# Altium PCB SmartHub Carrier.PcbDoc (part 1 of 5) (continued)
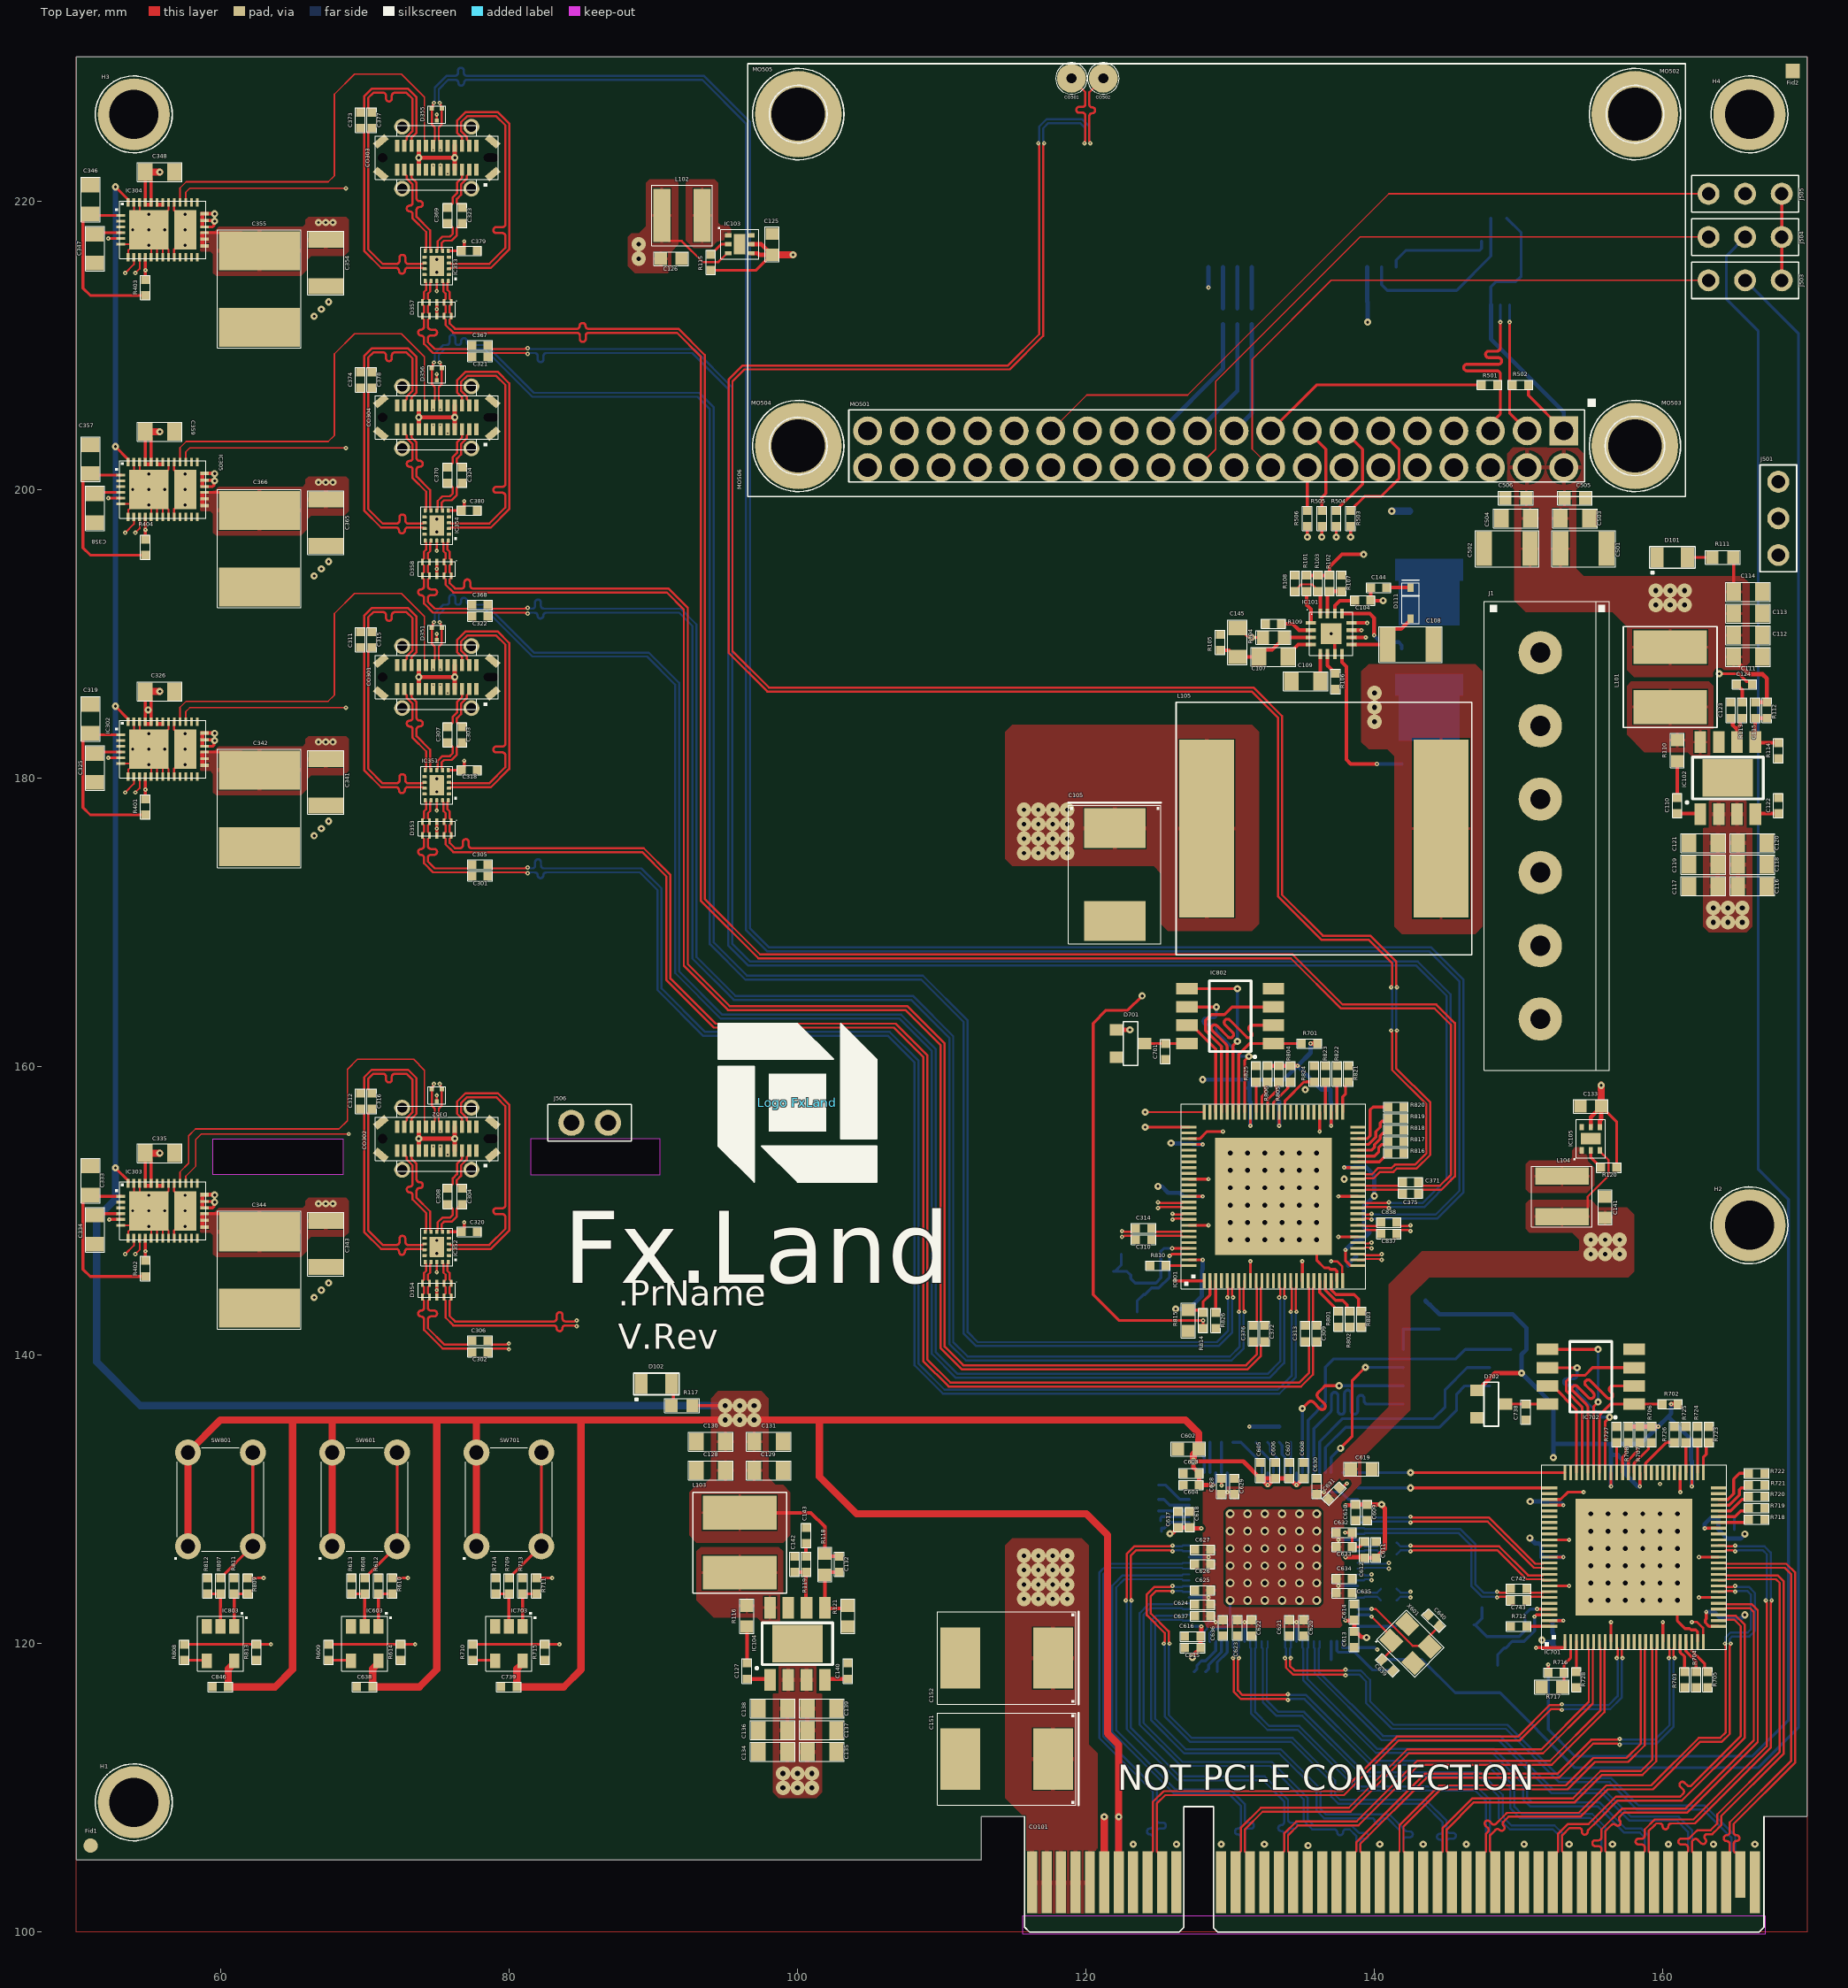
[diagram p0: Top Layer view]
## Components (designator, comment, footprint, x,y, rotation, side; value= is the part's Value field where it differs from the comment)
C102 "10µF" C1210 140.85,198.5 r0 bottom locked
C103 "4.7µF" C1210 137.65,192.5 r180 bottom locked
C104 "100nF" C0402 139.2,192.3 r0 top locked
C105 "150µF" Tantalum_2924_4.1MM 122,173.3 r270 top locked
C107 "10nF" C0805 133,188.4 r180 top locked
C108 "4.7µF" C1210 142.5,189.25 r0 top locked
C109 "10nF" C0805 135.25,186.7 r180 top locked
C110 "100nF" C0402 161,178.1 r270 top locked
C111 "10µF" C0805 165.9,188.4 r0 top locked
C112 "10µF" C0805 165.9,189.9 r0 top locked
C113 "10µF" C0805 165.9,191.4 r0 top locked
C114 "10µF" C0805 165.9,192.9 r0 top locked
C115 "1nF" C0402 166.4,184.7 r270 top locked
C116 "10µF" C0805 166.2,172.5 r0 top locked
C117 "10µF" C0805 162.8,172.5 r180 top locked
C118 "10µF" C0805 166.2,174 r0 top locked
C119 "10µF" C0805 162.8,174 r180 top locked
C120 "10µF" C0805 166.2,175.5 r0 top locked
C121 "10µF" C0805 162.8,175.5 r180 top locked
C122 "100nF" C0402 168,178.1 r90 top locked
C123 "1nF" C0402 164.7,184.7 r90 top locked
C124 "1.2nF" C0402 165.65,186.5 r0 top locked
C125 "10µF" C0603 98.25,217 r90 top locked
C126 "10µF" C0603 91.25,216 r0 top locked
C127 "100nF" C0402 96.5,118.1 r270 top locked
C128 "10µF" C0805 94,132 r180 top locked
C129 "10µF" C0805 98,132 r0 top locked
C130 "10µF" C0805 94,134 r180 top locked
C131 "10µF" C0805 98,134 r0 top locked
C132 "1nF" C0402 102.9,125.5 r270 top locked
C133 "10µF" C0603 155,157.25 r180 top locked
C134 "10µF" C0805 98.3,112.5 r180 top locked
C135 "10µF" C0805 101.7,112.5 r0 top locked
C136 "10µF" C0805 98.3,114 r180 top locked
C137 "10µF" C0805 101.7,114 r0 top locked
C138 "10µF" C0805 98.3,115.5 r180 top locked
C139 "10µF" C0805 101.7,115.5 r0 top locked
C140 "100nF" C0402 103.5,118.1 r90 top locked
C141 "10µF" C0603 156,150.25 r90 top locked
C142 "56pF" C0402 99.8,125.5 r90 top locked
C143 "2.7nF" C0402 100.6,127.5 r90 top locked
C144 "100nF" C0402 140.3,193.2 r180 top locked
C145 "2.2nF" C0805 130.5,189.4 r270 top locked
C151 "150µF" Tantalum_2924_4.1MM 114.5,112 r180 top locked
C152 "150µF" Tantalum_2924_4.1MM 114.5,119 r180 top locked
C153 "150µF" Tantalum_2924_4.1MM 114.5,112 r180 bottom locked
C154 "150µF" Tantalum_2924_4.1MM 114.5,119 r180 bottom locked
C301 "100nF" C0402 78,173.2 r180 top locked
C302 "100nF" C0402 78,140.2 r180 top locked
C303 "100nF" C0402 76.75,183 r90 top locked
C304 "100nF" C0402 76.75,151 r90 top locked
C305 "100nF" C0402 78,174 r180 top locked
C306 "100nF" C0402 78,141 r180 top locked
C307 "100nF" C0402 75.75,183 r90 top locked
C308 "100nF" C0402 75.75,151 r90 top locked
C309 "100nF" C0402 136,141.5 r270 top locked
C310 "100nF" C0402 124,148 r180 top locked
C311 "100nF" C0402 69.7,189.6 r90 top locked
C312 "100nF" C0402 69.7,157.6 r90 top locked
C313 "100nF" C0402 135.2,141.5 r270 top locked
C314 "100nF" C0402 124,148.8 r180 top locked
C315 "100nF" C0402 70.5,189.6 r90 top locked
C316 "100nF" C0402 70.5,157.6 r90 top locked
C317 "10µF" C0805 52,183.9 r180 bottom locked
C318 "100nF" C0402 77.25,180.55 r0 top locked
C319 "10µF" C0805 51,184.1 r90 top locked
C320 "100nF" C0402 77.25,148.55 r0 top locked
C321 "100nF" C0402 78,209.2 r180 top locked
C322 "100nF" C0402 78,191.2 r180 top locked
C323 "100nF" C0402 76.75,219 r90 top locked
C324 "100nF" C0402 76.75,201 r90 top locked
C325 "10µF" C0805 51.3,180.7 r270 top locked
C326 "10µF" C0805 55.8,186 r0 top locked
C327 "4.7µF" C1210 67.6,178.4 r0 bottom locked
C328 "10nF" C0805 67,180.6 r0 bottom locked
C329 "10nF" C0805 64.5,181.6 r90 bottom locked
C330 "10nF" C0805 62.1,181.6 r270 bottom locked
C331 "10nF" C0805 60.5,181.6 r270 bottom locked
C332 "10µF" C0805 52,151.9 r180 bottom locked
C333 "10µF" C0805 51,152.1 r90 top locked
C334 "10µF" C0805 51.3,148.7 r270 top locked
C335 "10µF" C0805 55.8,154 r0 top locked
C336 "4.7µF" C1210 67.6,146.4 r0 bottom locked
C337 "10nF" C0805 67,148.6 r0 bottom locked
C338 "10nF" C0805 64.5,149.6 r90 bottom locked
C339 "10nF" C0805 62.1,149.6 r270 bottom locked
C340 "10nF" C0805 60.5,149.6 r270 bottom locked
C341 "10µF" C1210 67.3,179.7 r270 top locked
C342 "22µF" C2220 62.7,177.9 r270 top locked
C343 "10µF" C1210 67.3,147.7 r270 top locked
C344 "22µF" C2220 62.7,145.9 r270 top locked
C345 "10µF" C0805 52,219.9 r180 bottom locked
C346 "10µF" C0805 51,220.1 r90 top locked
C347 "10µF" C0805 51.3,216.7 r270 top locked
C348 "10µF" C0805 55.8,222 r0 top locked
C349 "4.7µF" C1210 67.6,214.4 r0 bottom locked
C350 "10nF" C0805 67,216.6 r0 bottom locked
C351 "10nF" C0805 64.5,217.6 r90 bottom locked
C352 "10nF" C0805 62.1,217.6 r270 bottom locked
C353 "10nF" C0805 60.5,217.6 r270 bottom locked
C354 "10µF" C1210 67.3,215.7 r270 top locked
C355 "22µF" C2220 62.7,213.9 r270 top locked
C356 "10µF" C0805 52,201.9 r180 bottom locked
C357 "10µF" C0805 51,202.1 r90 top locked
C358 "10µF" C0805 51.3,198.7 r270 top locked
C359 "10µF" C0805 55.8,204 r0 top locked
C360 "4.7µF" C1210 67.6,196.4 r0 bottom locked
C361 "10nF" C0805 67,198.6 r0 bottom locked
C362 "10nF" C0805 64.5,199.6 r90 bottom locked
C363 "10nF" C0805 62.1,199.6 r270 bottom locked
C364 "10nF" C0805 60.5,199.6 r270 bottom locked
C365 "10µF" C1210 67.3,197.7 r270 top locked
C366 "22µF" C2220 62.7,195.9 r270 top locked
C367 "100nF" C0402 78,210 r180 top locked
C368 "100nF" C0402 78,192 r180 top locked
C369 "100nF" C0402 75.75,219 r90 top locked
C370 "100nF" C0402 75.75,201 r90 top locked
C371 "100nF" C0402 142.5,152 r0 top locked
C372 "100nF" C0402 132.4,141.5 r270 top locked
C373 "100nF" C0402 69.7,225.6 r90 top locked
C374 "100nF" C0402 69.7,207.6 r90 top locked
C375 "100nF" C0402 142.5,151.2 r0 top locked
C376 "100nF" C0402 131.6,141.5 r270 top locked
C377 "100nF" C0402 70.5,225.6 r90 top locked
C378 "100nF" C0402 70.5,207.6 r90 top locked
C379 "100nF" C0402 77.25,216.55 r0 top locked
C380 "100nF" C0402 77.25,198.55 r0 top locked
C501 "47µF" C1210 154.5,195.9 r0 top locked
C502 "47µF" C1210 149.2,195.9 r180 top locked
C503 "10µF" C0805 153.9,198 r0 top locked
C504 "10µF" C0805 149.8,198 r180 top locked
C505 "1µF" C0603 153.9,199.4 r0 top locked
C506 "1µF" C0603 149.8,199.4 r180 top locked
C507 "100nF" C0402 147.525,211.2 r180 bottom locked
C508 "10µF" C0805 138.525,213 r180 bottom locked
C601 "100nF" C0402 141.45,141.8 r180 bottom locked
C602 "4.7µF" C0603 127.1,133.5 r180 top locked
C603 "100nF" C0402 127.3,131.8 r180 top locked
C604 "1nF" C0402 127.3,131 r180 top locked
C605 "100nF" C0402 132.1,132 r90 top locked
C606 "1nF" C0402 133.1,132 r90 top locked
C607 "100nF" C0402 134.1,132 r90 top locked
C608 "1nF" C0402 135.1,132 r90 top locked
C609 "100nF" C0402 139.5,129.1 r270 top locked
C610 "1nF" C0402 138.7,129.1 r270 top locked
C611 "100nF" C0402 140.1,126.5 r90 top locked
C612 "1nF" C0402 139.3,126.5 r90 top locked
C613 "100nF" C0402 138.6,120.3 r270 top locked
C614 "1nF" C0402 138.6,122.2 r90 top locked
C615 "100nF" C0402 127.4,119.7 r180 top locked
C616 "1nF" C0402 127.4,120.5 r180 top locked
C617 "100nF" C0402 126.4,128.6 r90 top locked
C618 "1nF" C0402 127.2,128.6 r90 top locked
C619 "4.7µF" C0603 139.1,132.1 r0 top locked
C620 "100nF" C0402 135.1,121.1 r270 top locked
C621 "1nF" C0402 134.1,121.1 r270 top locked
C622 "100nF" C0402 131.5,121.1 r270 top locked
C623 "1nF" C0402 130.5,121.1 r270 top locked
C624 "100nF" C0402 128.1,122.7 r180 top locked
C625 "1nF" C0402 128.1,123.7 r180 top locked
C626 "100nF" C0402 128.1,125.5 r180 top locked
C627 "1nF" C0402 128.1,126.5 r180 top locked
C628 "100nF" C0402 129.4,130.9 r90 top locked
C629 "1nF" C0402 130.3,130.9 r90 top locked
C630 "100nF" C0402 136,130.9 r90 top locked
C631 "1nF" C0402 137.2,130.4 r45 top locked
C632 "100nF" C0402 137.9,127.7 r0 top locked
C633 "1nF" C0402 137.9,126.7 r0 top locked
C634 "100nF" C0402 137.9,124.5 r0 top locked
C635 "1nF" C0402 137.9,123.5 r0 top locked
C636 "100nF" C0402 129.5,121.1 r270 top locked
C637 "1nF" C0402 128.1,121.9 r180 top locked
C638 "100nF" C0402 70,117 r180 top locked
C639 "12pF" C0402 140.9,118.5 r135 top locked
C640 "12pF" C0402 144.1,121.6 r135 top locked
C641 "100nF" C0402 141,123.8 r0 bottom locked
C642 "100nF" C0402 141,123 r0 bottom locked
C643 "100nF" C0402 141,127 r0 bottom locked
C644 "100nF" C0402 141,126.2 r0 bottom locked
C701 "100nF" C0402 125.5,161.05 r270 top locked
C702 "4.7µF" C0603 153.2,119.8 r0 bottom locked
C703 "100nF" C0402 152.9,120.75 r0 bottom locked
C704 "1nF" C0402 152.35,122.15 r90 bottom locked
C705 "100nF" C0402 151.55,127.35 r90 bottom locked
C706 "1nF" C0402 151.575,125.45 r270 bottom locked
C707 "100nF" C0402 151.6,129.3 r270 bottom locked
C708 "1nF" C0402 152.4,129.3 r270 bottom locked
C709 "100nF" C0402 155.85,133.225 r180 bottom locked
C710 "1nF" C0402 155.85,132.5 r180 bottom locked
C711 "100nF" C0402 158,132.5 r0 bottom locked
C712 "1nF" C0402 158,131.7 r0 bottom locked
C713 "100nF" C0402 161.4,133.5 r180 bottom locked
C714 "1nF" C0402 161.4,132.7 r180 bottom locked
C715 "100nF" C0402 164.4,127.9 r0 bottom locked
C716 "1nF" C0402 164.4,128.7 r0 bottom locked
C717 "100nF" C0402 164.8,122.3 r90 bottom locked
C718 "1nF" C0402 164,122.3 r90 bottom locked
C719 "4.7µF" C0603 164.5,130 r0 bottom locked
C720 "100nF" C0402 155.9,121.1 r270 bottom locked
C721 "1nF" C0402 156.9,121.1 r270 bottom locked
C722 "100nF" C0402 159.5,121.1 r270 bottom locked
C723 "1nF" C0402 160.5,121.1 r270 bottom locked
C724 "100nF" C0402 161.5,121.1 r270 bottom locked
C725 "1nF" C0402 162.7,121.6 r315 bottom locked
C726 "100nF" C0402 163.1,123.7 r0 bottom locked
C727 "1nF" C0402 163.1,124.6 r0 bottom locked
C728 "100nF" C0402 163.1,125.5 r0 bottom locked
C729 "1nF" C0402 163.1,126.5 r0 bottom locked
C730 "100nF" C0402 159.8,131 r90 bottom locked
C731 "1nF" C0402 160.7,131 r90 bottom locked
C732 "100nF" C0402 154,131.1 r90 bottom locked
C733 "1nF" C0402 155,131.1 r90 bottom locked
C734 "100nF" C0402 152.9,126.7 r180 bottom locked
C735 "1nF" C0402 152.9,127.7 r180 bottom locked
C736 "100nF" C0402 152.9,124.5 r180 bottom locked
C737 "1nF" C0402 152.9,123.5 r180 bottom locked
C738 "100nF" C0402 150.5,136.05 r270 top locked
C739 "100nF" C0402 80,117 r180 top locked
C740 "12pF" C0402 148,118.5 r0 bottom locked
C741 "12pF" C0402 148,122.5 r0 bottom locked
C742 "100nF" C0402 150,123.8 r180 top locked
C743 "100nF" C0402 150,123 r180 top locked
C801 "4.7µF" C0603 127.3,144.1 r180 bottom locked
C802 "100nF" C0402 127.5,145.1 r180 bottom locked
C803 "1nF" C0402 127.5,145.9 r180 bottom locked
C804 "100nF" C0402 125.7,151.8 r90 bottom locked
C805 "1nF" C0402 126.5,151.8 r90 bottom locked
C806 "100nF" C0402 126.6,155.2 r90 bottom locked
C807 "1nF" C0402 127.4,155.2 r90 bottom locked
C808 "100nF" C0402 130.8,158.4 r180 bottom locked
C809 "1nF" C0402 130.8,157.6 r180 bottom locked
C810 "100nF" C0402 133.9,158.4 r0 bottom locked
C811 "1nF" C0402 133.9,157.6 r0 bottom locked
C812 "100nF" C0402 137.5,158.4 r0 bottom locked
C813 "1nF" C0402 137.5,157.6 r0 bottom locked
C814 "100nF" C0402 139.4,153.6 r90 bottom locked
C815 "1nF" C0402 138.6,153.6 r90 bottom locked
C816 "100nF" C0402 140.2,148.5 r0 bottom locked
C817 "1nF" C0402 138.725,147.375 r270 bottom locked
C818 "4.7µF" C0603 139.4,144.4 r270 bottom locked
C819 "100nF" C0402 130.9,145.9 r270 bottom locked
C820 "1nF" C0402 131.9,145.9 r270 bottom locked
C821 "100nF" C0402 134.5,145.9 r270 bottom locked
C822 "1nF" C0402 135.5,145.9 r270 bottom locked
C823 "100nF" C0402 136.5,145.9 r270 bottom locked
C824 "1nF" C0402 137.8,146.6 r315 bottom locked
C825 "100nF" C0402 138.1,149.6 r0 bottom locked
C826 "1nF" C0402 138.1,148.7 r0 bottom locked
C827 "100nF" C0402 138.1,150.5 r0 bottom locked
C828 "1nF" C0402 138.1,151.5 r0 bottom locked
C829 "100nF" C0402 134.8,156.1 r90 bottom locked
C830 "1nF" C0402 135.7,156.1 r90 bottom locked
C831 "100nF" C0402 129,156.1 r90 bottom locked
C832 "1nF" C0402 130,156.1 r90 bottom locked
C833 "100nF" C0402 127.9,151.7 r180 bottom locked
C834 "1nF" C0402 127.9,152.7 r180 bottom locked
C835 "100nF" C0402 127.9,148.5 r180 bottom locked
C836 "1nF" C0402 127.9,149.5 r180 bottom locked
C837 "100nF" C0402 141,148.4 r0 top locked
C838 "100nF" C0402 141,149.2 r0 top locked
C846 "100nF" C0402 60,117 r180 top locked
C848 "12pF" C0402 123,143 r0 bottom locked
C849 "12pF" C0402 123,147 r0 bottom locked
CO101 "PCIE-X8" PCIE-X8-PCB-BASIC 115.75,100 r0 top locked
CO301 "USB4070" USB4070-30-C 75,187 r180 top locked
CO302 "USB4070" USB4070-30-C 75,155 r180 top locked
CO303 "USB4070" USB4070-30-C 75,223 r180 top locked
CO304 "USB4070" USB4070-30-C 75,205 r180 top locked
CO501 "Pogo pin" POGO-0906 119,228.5 r180 top locked
CO502 "Pogo pin" POGO-0906 121.2,228.5 r180 top locked
D101 "Led Green" Led0805 160.65,195.3 r180 top locked
D102 "Led Green" Led0805 90.225,138 r180 top locked
D111 "CMDSH2-3" SOD-323 142.5,192.125 r90 top locked
D351 "TVS" SOT-3 75,190 r180 top locked
D352 "TVS" SOT-3 75,158 r180 top locked
D353 "TVS" SOT-1176-1 75,176.5 r180 top locked
D354 "TVS" SOT-1176-1 75,144.5 r180 top locked
D355 "TVS" SOT-3 75,226 r180 top locked
D356 "TVS" SOT-3 75,208 r180 top locked
D357 "TVS" SOT-1176-1 75,212.5 r180 top locked
D358 "TVS" SOT-1176-1 75,194.5 r180 top locked
D601 "BAS16" SOT-23 144.5,142.8 r180 bottom locked
D701 "BAS16" SOT-23 123.1,161.6 r90 top locked
D702 "BAS16" SOT-23 148.1,136.6 r90 top locked
Fid1 "Fiducial" FidR_1.0mm 51,106 r0 top locked
Fid2 "Fiducial" FidS_1.0mm 169,229 r0 top locked
Fid3 "Fiducial" FidR_1.0mm 169,109 r180 bottom locked
Fid4 "Fiducial" FidS_1.0mm 51,229 r180 bottom locked
H1 "Hole M3" HOLE_M3 54,109 r0 top locked
H2 "Hole M3" HOLE_M3 166,149 r0 top locked
H3 "Hole M3" HOLE_M3 54,226 r0 top locked
H4 "Hole M3" HOLE_M3 166,226 r0 top locked
IC101 "LTC3775" QFN-16G_3X3 137,190 r0 top locked
IC102 "AP64501SP-13" SO-8-EP 164.5,180 r0 top locked
IC103 "HL7504" DFN-6G_2X2 96,217 r270 top locked
IC104 "AP64501SP-13" SO-8-EP 100,120 r0 top locked
IC105 "HL7504" DFN-6G_2X2 155,155 r0 top locked
IC302 "TPS25750D" QFNRJK-38 56,182 r0 top locked
IC303 "TPS25750D" QFNRJK-38 56,150 r0 top locked
IC304 "TPS25750D" QFNRJK-38 56,218 r0 top locked
IC305 "TPS25750D" QFNRJK-38 56,200 r0 top locked
IC351 "TUSB542" X2QFN-18G_2.4X2 75,179.5 r180 top locked
IC352 "TUSB542" X2QFN-18G_2.4X2 75,147.5 r180 top locked
IC353 "TUSB542" X2QFN-18G_2.4X2 75,215.5 r180 top locked
IC354 "TUSB542" X2QFN-18G_2.4X2 75,197.5 r180 top locked
IC501 "EMC2301" MSOP-8_3X3 148.4,215 r180 bottom locked
IC601 "USB7206C" VQFN-100G_12X12 133,126 r90 bottom locked
IC602 "SST26VF016B" SO-8 145,138.5 r270 bottom locked
IC603 "MC74HC1G02" TSOP-5 70,120 r180 top locked
IC701 "USB7206C" VQFN-100G_12X12 158,126 r90 top locked
IC702 "SST26VF016B" SO-8 155,138.5 r90 top locked
IC703 "MC74HC1G02" TSOP-5 80,120 r180 top locked
IC801 "USB7206C" VQFN-100G_12X12 133,151 r90 top locked
IC802 "SST26VF016B" SO-8 130,163.5 r90 top locked
IC803 "MC74HC1G02" TSOP-5 60,120 r180 top locked
J1 "1755778" 1755778 151.5,176 r270 top locked
J501 "Header" 1X3P_2.54mm 168,198 r270 top locked
J502 "Fan Connctor" SM04B 140,220 r180 bottom locked
J503 "Header" 1X3P_2.54mm 165.7,214.5 r180 top locked
J504 "Header" 1X3P_2.54mm 165.7,217.5 r180 top locked
J505 "Header" 1X3P_2.54mm 165.7,220.5 r180 top locked
J506 "Pin Socket" 1X2P_Socket_2.54mm 85.6,156.1 r180 top locked
J507 "Led Connector" SM04B 130,220 r180 bottom locked
L101 "3.3µH 5A" SRN6045TA 160.5,187 r90 top locked
L102 "2.2µH 3A" NRS4018 92,219 r180 top locked
L103 "3.3µH 5A" SRN6045TA 96,127 r90 top locked
L104 "2.2µH 3A" NRS4018 153,151 r270 top locked
L105 "3.3µH 35A" IN-2P_17X17 136.5,176.5 r180 top locked
"Logo FxLand" "FxLand" Logo_FxLand_3 100,157.5 r0 top locked
MO501 "ZeroW-1" RPIZeroW_Pins 129,214.3 r180 top locked
MO502 "ZeroW-M" CM4-M 158.059,226.018 r0 top locked
MO503 "ZeroW-M" CM4-M 158.059,203.018 r0 top locked
MO504 "ZeroW-M" CM4-M 100.059,203.018 r0 top locked
MO505 "ZeroW-M" CM4-M 100.059,226.018 r0 top locked
MO506 "ZeroW" RPIZeroW_Layout 129.059,214.518 r180 top locked
R101 "442Ω" R0402 135.3,193.5 r90 top locked
R102 "100KΩ" R0402 136.9,193.5 r90 top locked
R103 "100KΩ" R0402 136.1,193.5 r90 top locked
R104 "198KΩ" R0603 133,189.75 r180 top locked
R105 "6.1KΩ" R0402 129.3,189.4 r270 top locked
R106 "39KΩ" R0402 137.3,186.7 r90 top locked
R107 "10KΩ" R0402 137.7,193.5 r270 top locked
R108 "10KΩ" R0402 134.5,193.5 r270 top locked
R109 "73.2KΩ" R0402 133,190.7 r0 top locked
R110 "100Ω" R0603 161,181.9 r90 top locked
R111 "150Ω" R0603 164.15,195.3 r180 top locked
R112 "12KΩ" R0402 167.2,184.7 r90 top locked
R113 "20KΩ" R0402 165.5,184.7 r270 top locked
R114 "2.2KΩ" R0402 168,181.9 r90 top locked
R115 "1MΩ" R0402 94,215.75 r90 top locked
R116 "100Ω" R0603 96.5,121.9 r90 top locked
R117 "50Ω" R0603 92,136.5 r180 top locked
R118 "69.8KΩ" R0603 101.9,125.5 r90 top locked
R119 "10.5K" R0402 100.6,125.5 r270 top locked
R120 "1MΩ" R0402 156.25,153 r180 top locked
R121 "22.1KΩ" R0603 103.5,121.9 r90 top locked
R122 "3mΩ" R1206 149.8,194.4 r180 bottom locked
R401 "100KΩ" R0402 54.8,178 r90 top locked
R402 "100KΩ" R0402 54.8,146 r90 top locked
R403 "100KΩ" R0402 54.8,214 r90 top locked
R404 "100KΩ" R0402 54.8,196 r90 top locked
R501 "2.2KΩ" R0402 147.975,207.25 r180 top locked
R502 "2.2KΩ" R0402 150.125,207.25 r0 top locked
R503 "10KΩ" R0402 138.35,198 r270 top locked
R504 "10KΩ" R0402 137.35,198 r270 top locked
R505 "10KΩ" R0402 136.35,198 r270 top locked
R506 "10KΩ" R0402 135.35,198 r270 top locked
R507 "36KΩ" R0402 148.625,218.8 r0 bottom locked
R508 "100Ω" R0402 131.5,212 r90 bottom locked
R509 "100Ω" R0402 130.5,212 r90 bottom locked
R510 "68Ω" R0402 129.5,212 r90 bottom locked
R601 "10KΩ" R0402 150,140.4 r0 bottom locked
R602 "10KΩ" R0402 129.1,117.5 r270 bottom locked
R603 "200KΩ" R0402 128.3,117.5 r90 bottom locked
R604 "200KΩ" R0402 127.5,117.5 r90 bottom locked
R605 "10KΩ" R0402 131.8,134.5 r270 bottom locked
R606 "10KΩ" R0402 132.6,134.5 r270 bottom locked
R607 "10KΩ" R0402 133.4,134.5 r270 bottom locked
R608 "10KΩ" R0402 70,124 r90 top locked
R609 "10KΩ" R0402 67.5,119.4 r90 top locked
R610 "10KΩ" R0402 71.9,124 r90 top locked
R611 "12KΩ" R0402 142,121.2 r180 bottom locked
R612 "100KΩ" R0402 70.95,124 r270 top locked
R613 "100KΩ" R0402 69.1,124 r270 top locked
R614 "100KΩ" R0402 72.5,119.4 r90 top locked
R615 "5.1kΩ" R0402 139.7,118.9 r0 bottom locked
R616 "22.1KΩ" R0603 141.25,118.9 r270 bottom locked
R617 "200KΩ" R0402 124.5,127.8 r0 bottom locked
R618 "200KΩ" R0402 124.5,128.6 r0 bottom locked
R619 "200KΩ" R0402 124.5,129.4 r0 bottom locked
R620 "200KΩ" R0402 124.5,130.2 r0 bottom locked
R621 "200KΩ" R0402 124.5,131 r0 bottom locked
R622 "200KΩ" R0402 127.8,134.5 r270 bottom locked
R623 "200KΩ" R0402 128.6,134.5 r270 bottom locked
R624 "200KΩ" R0402 129.4,134.5 r270 bottom locked
R625 "200KΩ" R0402 130.2,134.5 r270 bottom locked
R626 "200KΩ" R0402 134.2,134.5 r270 bottom locked
R627 "200KΩ" R0402 137.55,118.9 r180 bottom locked
R701 "10KΩ" R0402 135.5,161.6 r0 top locked
R702 "10KΩ" R0402 160.5,136.6 r0 top locked
R703 "10KΩ" R0402 161.5,117.5 r270 top locked
R704 "200KΩ" R0402 162.3,117.5 r90 top locked
R705 "200KΩ" R0402 163.1,117.5 r90 top locked
R706 "10KΩ" R0402 159.2,134.5 r270 top locked
R707 "10KΩ" R0402 158.4,134.5 r270 top locked
R708 "10KΩ" R0402 157.6,134.5 r270 top locked
R709 "10KΩ" R0402 80,124 r90 top locked
R710 "10KΩ" R0402 77.5,119.4 r90 top locked
R711 "10KΩ" R0402 81.9,124 r90 top locked
R712 "12KΩ" R0402 150,121.2 r0 top locked
R713 "100KΩ" R0402 80.95,124 r270 top locked
R714 "100KΩ" R0402 79.1,124 r270 top locked
R715 "100KΩ" R0402 82.5,119.4 r90 top locked
R716 "5.1kΩ" R0402 152.6,118 r180 top locked
R717 "22.1KΩ" R0603 152.3,117 r0 top locked
R718 "200KΩ" R0402 166.5,128.6 r180 top locked
R719 "200KΩ" R0402 166.5,129.4 r180 top locked
R720 "200KΩ" R0402 166.5,130.2 r180 top locked
R721 "200KΩ" R0402 166.5,131 r180 top locked
R722 "200KΩ" R0402 166.5,131.8 r180 top locked
R723 "200KΩ" R0402 163.2,134.5 r270 top locked
R724 "200KΩ" R0402 162.4,134.5 r270 top locked
R725 "200KΩ" R0402 161.6,134.5 r270 top locked
R726 "200KΩ" R0402 160.8,134.5 r270 top locked
R727 "200KΩ" R0402 156.8,134.5 r270 top locked
R728 "200KΩ" R0402 154,117.5 r90 top locked
R801 "10KΩ" R0402 137.5,142.5 r270 top locked
R802 "200KΩ" R0402 138.3,142.5 r90 top locked
R803 "200KΩ" R0402 139.1,142.5 r90 top locked
R804 "10KΩ" R0402 134.2,159.5 r270 top locked
R805 "10KΩ" R0402 133.4,159.5 r270 top locked
R806 "10KΩ" R0402 132.6,159.5 r270 top locked
R807 "10KΩ" R0402 60,124 r90 top locked
R808 "10KΩ" R0402 57.5,119.4 r90 top locked
R809 "10KΩ" R0402 61.9,124 r90 top locked
R810 "12KΩ" R0402 125,146.2 r0 top locked
R811 "100KΩ" R0402 60.95,124 r270 top locked
R812 "100KΩ" R0402 59.1,124 r270 top locked
R813 "100KΩ" R0402 62.5,119.4 r90 top locked
R814 "5.1kΩ" R0402 128.125,142.4 r270 top locked
R815 "22.1KΩ" R0603 127.1,142.4 r90 top locked
R816 "200KΩ" R0402 141.5,154 r180 top locked
R817 "200KΩ" R0402 141.5,154.8 r180 top locked
R818 "200KΩ" R0402 141.5,155.6 r180 top locked
R819 "200KΩ" R0402 141.5,156.4 r180 top locked
R820 "200KΩ" R0402 141.5,157.2 r180 top locked
R821 "200KΩ" R0402 138.2,159.5 r270 top locked
R822 "200KΩ" R0402 137.4,159.5 r270 top locked
R823 "200KΩ" R0402 136.6,159.5 r270 top locked
R824 "200KΩ" R0402 135.8,159.5 r270 top locked
R825 "200KΩ" R0402 131.8,159.5 r270 top locked
R826 "200KΩ" R0402 129,142.4 r90 top locked
SW601 "TS02" TS02 70,130 r90 top locked
SW701 "TS02" TS02 80,130 r90 top locked
SW801 "TS02" TS02 60,130 r90 top locked
TR101 "RJK0305DPB" LFPAK-5_4.9X4 143.8,191.7 r180 bottom locked
TR102 "RJK0301DPB" LFPAK-5_4.9X4 143.8,183.7 r180 bottom locked
X601 "25MHz" 403W 142.5,120 r315 top locked
X701 "25MHz" 403W 148,120.5 r180 bottom locked
X801 "25MHz" 403W 123,145 r180 bottom locked

## Footprints (in the part's own frame and the unit in brackets; to place one, negate y for a bottom-side part, rotate by r counter-clockwise, add the part's x,y. Pads: shape width x height; smd on the part's side, far side on the other; paste and mask are expansions set on the pad)
1X2P_Socket_2.54mm [mm]
  round 1.8 hole 1.1: 1(-1.27,0) 2(1.27,0)
  silkscreen extent -2.9,-1.27 2.9,1.27, body extent -2.79,-1.21 2.79,1.21, height 8.51
1X3P_2.54mm [mil]
  round 60 hole 36.42: 1(-100,0) 2(0,0) 3(100,0)
  silkscreen extent -146,-50 146,50, body extent -142,-46 142,46, height 409
403W [mm]
  rect 1.3x1.1 smd: 1(-1.1,-0.8) 2(1.1,-0.8) 3(1.1,0.8) 4(-1.1,0.8)
  silkscreen extent -1.85,-1.65 1.85,1.45, body extent -1.6,-1.25 1.6,1.25, height 1.2
1755778 [mm]
  round 3 hole 1.4: 1(-12.7,0) 2(-7.62,0) 3(-2.54,0) 4(2.54,0) 5(7.62,0) 6(12.7,0)
  silkscreen extent -16.25,-3.88 16.25,4.78, body extent -16.24,-3.87 16.24,4.73, height 12
C0402 [mm]
  rect 0.6x0.6 smd paste+0 mask+0: 1(-0.55,0) 2(0.55,0)
  silkscreen extent -0.85,-0.33 0.85,0.33, body extent -0.5,-0.3 0.5,0.3, height 0.5
C0603 [mm]
  rect 0.85x0.9 smd paste+0 mask+0: 1(-0.725,0) 2(0.725,0)
  silkscreen extent -1.2,-0.48 1.2,0.48, body extent -0.8,-0.45 0.8,0.45, height 0.8
C0805 [mm]
  rect 1x1.25 smd paste+0 mask+0: 1(-1,0) 2(1,0)
  silkscreen extent -1.55,-0.66 1.55,0.66, body extent -1,-0.62 1,0.62, height 0.98
C1210 [mm]
  rect 1.1x2.4 smd paste+0 mask+0: 1(-1.6,0) 2(1.6,0)
  silkscreen extent -2.2,-1.25 2.21,1.25, body extent -1.6,-1.1 1.6,1.1, height 2.5
C2220 [mm]
  rect 2.7x5.6 smd paste+0 mask+0: 1(-2.65,0) 2(2.65,0)
  silkscreen extent -4.1,-2.9 4.1,2.9, body extent -3.05,-2.65 3.05,2.65, height 6.7
CM4-M [mm]
  round 6 hole 3.7: GND(0,0)
  silkscreen extent -3.16,-3.16 3.17,3.16, body extent -2.55,-2.55 2.55,2.55, height 3
DFN-6G_2X2 [mm]
  rect 0.3x0.45 smd: 1(-0.625,-0.8) 2(0,-0.8) 3(0.625,-0.8) 4(0.625,0.8) 5(0,0.8) 6(-0.625,0.8)
  rect 1.4x0.8 smd: 7(0,0)
  silkscreen extent -1.2,-1.5 1.02,1.33, body extent -1,-1.05 1,1.05, height 0.75
FidR_1.0mm [mm]
  round 1 smd: 1(0,0)
FidS_1.0mm [mm]
  rect 1x1 smd: 1(0,0)
HOLE_M3 [mm]
  round 5 hole 3.4: 1(0,0)
  silkscreen extent -2.66,-2.66 2.67,2.66
IN-2P_17X17 [mm]
  rect 3.8x12.32 smd: 1(-8.117,0) 2(8.117,0)
  silkscreen extent -10.25,-8.75 10.25,8.75, body extent -8.57,-8.57 8.57,8.57, height 7
Led0805 [mm]
  rect 0.9x1.4 smd paste+0 mask+0: A(-1.05,0) K(1.05,0)
  silkscreen extent -1.57,-0.75 1.57,1.15, body extent -1.03,-0.46 1.03,0.45, height 0.85
LFPAK-5_4.9X4 [mm]
  rect 0.7x1.15 smd: 1(-1.905,-2.725) 2(-0.635,-2.725) 3(0.635,-2.725) 4(1.905,-2.725)
  round 0.025 smd: 5(0,1.2)
  Top Layer region: -2.35,3.5 -2.35,2 -2.1,2 -2.1,-1.1 2.1,-1.1 2.1,2 2.35,2 2.35,3.5 2.35,3.5
  silkscreen extent -2.8,-3.8 2.5,3.7, body extent -2.45,-3.13 2.45,2.98, height 1
Logo_FxLand_3 [mm]
  silkscreen extent -5.5,-5.5 5.5,5.5
MSOP-8_3X3 [mm]
  rect 0.45x1.45 smd: 1(-0.975,-2.2) 2(-0.325,-2.2) 3(0.325,-2.2) 4(0.975,-2.2) 5(0.975,2.2) 6(0.325,2.2) 7(-0.325,2.2) 8(-0.975,2.2)
  silkscreen extent -1.65,-3.1 1.65,3.1, body extent -1.5,-2.6 1.5,2.4, height 1.09
NRS4018 [mm]
  rect 1.2x3.7 smd: 1(-1.4,0) 2(1.4,0)
  silkscreen extent -2.1,-2.1 2.1,2.1, body extent -2,-2 2,2, height 1.8
PCIE-X8-PCB-BASIC [mm]
  rect 0.7x3.2 smd far side: A1(0.525,4)
  rect 0.7x4.3 smd far side: A2(1.525,3.45) A3(2.525,3.45) A4(3.525,3.45) A5(4.525,3.45) A6(5.525,3.45) A7(6.525,3.45) A8(7.525,3.45) A9(8.525,3.45) A10(9.525,3.45) A11(10.525,3.45) A12(13.625,3.45) A13(14.625,3.45) A14(15.625,3.45) A15(16.625,3.45) A16(17.625,3.45) A17(18.625,3.45) A18(19.625,3.45) A19(20.625,3.45) A20(21.625,3.45) A21(22.625,3.45) A22(23.625,3.45) A23(24.625,3.45) A24(25.625,3.45) A25(26.625,3.45) A26(27.625,3.45) A27(28.625,3.45) A28(29.625,3.45) A29(30.625,3.45) A30(31.625,3.45) A31(32.625,3.45) A32(33.625,3.45) A33(34.625,3.45) A34(35.625,3.45) A35(36.625,3.45) A36(37.625,3.45) A37(38.625,3.45) A38(39.625,3.45) A39(40.625,3.45) A40(41.625,3.45) A41(42.625,3.45) A42(43.625,3.45) A43(44.625,3.45) A44(45.625,3.45) A45(46.625,3.45) A46(47.625,3.45) A47(48.625,3.45) A48(49.625,3.45) A49(50.625,3.45)
  rect 0.7x4.3 smd: B1(0.525,3.45) B2(1.525,3.45) B3(2.525,3.45) B4(3.525,3.45) B5(4.525,3.45) B6(5.525,3.45) B7(6.525,3.45) B8(7.525,3.45) B9(8.525,3.45) B10(9.525,3.45) B11(10.525,3.45) B12(13.625,3.45) B13(14.625,3.45) B14(15.625,3.45) B15(16.625,3.45) B16(17.625,3.45) B17(18.625,3.45) B18(19.625,3.45) B19(20.625,3.45) B20(21.625,3.45) B21(22.625,3.45) B22(23.625,3.45) B23(24.625,3.45) B24(25.625,3.45) B25(26.625,3.45) B26(27.625,3.45) B27(28.625,3.45) B28(29.625,3.45) B29(30.625,3.45) B30(31.625,3.45) B31(32.625,3.45) B32(33.625,3.45) B33(34.625,3.45) B34(35.625,3.45) B35(36.625,3.45) B36(37.625,3.45) B37(38.625,3.45) B38(39.625,3.45) B39(40.625,3.45) B40(41.625,3.45) B41(42.625,3.45) B42(43.625,3.45) B43(44.625,3.45) B44(45.625,3.45) B45(46.625,3.45) B46(47.625,3.45) B47(48.625,3.45) B49(50.625,3.45)
  rect 0.7x3.2 smd: B48(49.625,4)
  silkscreen extent 0,0 51.25,8.7
POGO-0906 [mm]
  round 2 hole 0.7: 1(0,0)
  silkscreen extent -1.1,-1.1 1.1,1.1, body extent -0.91,-0.91 0.91,0.91, height 3.48
QFN-16G_3X3 [mm]
  rect 0.7x0.25 smd: 1(-1.4,0.75) 2(-1.4,0.25) 3(-1.4,-0.25) 4(-1.4,-0.75) 9(1.4,-0.75) 10(1.4,-0.25) 11(1.4,0.25) 12(1.4,0.75)
  rect 0.25x0.7 smd: 5(-0.75,-1.4) 6(-0.25,-1.4) 7(0.25,-1.4) 8(0.75,-1.4) 13(0.75,1.4) 14(0.25,1.4) 15(-0.25,1.4) 16(-0.75,1.4)
  rect 1.45x1.45 smd: 17(0,0)
  silkscreen extent -1.7,-1.5 1.5,1.7, body extent -1.5,-1.5 1.5,1.5, height 0.86
QFNRJK-38 [mm]
  rect 0.6x0.2 smd: 1(-2.9,1) 2(-2.9,0.6) 3(-2.9,0.2) 4(-2.9,-0.2) 5(-2.9,-0.6) 6(-2.9,-1) 21(2.9,-0.65) 22(2.9,-0.2) 23(2.9,0.2) 24(2.9,0.65)
  rect 0.2x0.6 smd: 7(-2.4,-1.9) 8(-2,-1.9) 9(-1.6,-1.9) 10(-1.2,-1.9) 11(-0.8,-1.9) 12(-0.4,-1.9) 13(0,-1.9) 14(0.4,-1.9) 15(0.8,-1.9) 16(1.2,-1.9) 17(1.6,-1.9) 18(2,-1.9) 19(2.4,-1.9) 26(2.4,1.9) 27(2,1.9) 28(1.6,1.9) 29(1.2,1.9) 30(0.8,1.9) 31(0.4,1.9) 32(0,1.9) 33(-0.4,1.9) 34(-0.8,1.9) 35(-1.2,1.9) 36(-1.6,1.9) 37(-2,1.9) 38(-2.4,1.9)
  rect 0.6x0.25 smd: 20(2.9,-1.125) 25(2.9,1.125)
  rect 2.72x2.72 smd: 39(-0.965,0)
  rect 1.53x2.72 smd: 40(1.56,0)
  Top Layer region: 2.6,0.1 2.875,0.1 2.875,1.25 2.6,1.25
  Top Layer region: 2.6,-1.25 2.875,-1.25 2.875,-0.1 2.6,-0.1
  Top Layer region: -0.7,1.6 -0.7,1.875 -1.3,1.875 -1.3,1.6
  Top Layer region: 0.1,1.6 0.1,1.875 -0.5,1.875 -0.5,1.6
  silkscreen extent -3.3,-2 3,2, body extent -3,-2 3,2, height 0.8
R0402 [mm]
  rect 0.6x0.6 smd paste+0 mask+0: 1(-0.55,0) 2(0.55,0)
  silkscreen extent -0.85,-0.33 0.85,0.33, body extent -0.5,-0.25 0.5,0.25, height 0.35
R0603 [mm]
  rect 0.85x0.9 smd paste+0 mask+0: 1(-0.725,0) 2(0.725,0)
  silkscreen extent -1.2,-0.48 1.2,0.48, body extent -0.8,-0.4 0.8,0.4, height 0.45
R1206 [mm]
  rect 1x1.8 smd paste+0 mask+0: 1(-1.6,0) 2(1.6,0)
  silkscreen extent -2.16,-1 2.16,1, body extent -1.6,-0.8 1.6,0.8, height 0.6
RPIZeroW_Layout [mm]
  silkscreen extent -32.5,-15 32.5,15, body extent -32.5,-16.25 33.4,15, height 7.8
RPIZeroW_Pins [mm]
  rect 2x2 hole 1.3: 1(-24.13,10.236)
  round 2 hole 1.3: 2(-24.13,12.776) 3(-21.59,10.236) 4(-21.59,12.776) 5(-19.05,10.236) 6(-19.05,12.776) 7(-16.51,10.236) 8(-16.51,12.776) 9(-13.97,10.236) 10(-13.97,12.776) 11(-11.43,10.236) 12(-11.43,12.776) 13(-8.89,10.236) 14(-8.89,12.776) 15(-6.35,10.236) 16(-6.35,12.776) 17(-3.81,10.236) 18(-3.81,12.776) 19(-1.27,10.236) 20(-1.27,12.776) 21(1.27,10.236) 22(1.27,12.776) 23(3.81,10.236) 24(3.81,12.776) 25(6.35,10.236) 26(6.35,12.776) 27(8.89,10.236) 28(8.89,12.776) 29(11.43,10.236) 30(11.43,12.776) 31(13.97,10.236) 32(13.97,12.776) 33(16.51,10.236) 34(16.51,12.776) 35(19.05,10.236) 36(19.05,12.776) 37(21.59,10.236) 38(21.59,12.776) 39(24.13,10.236) 40(24.13,12.776)
  body extent -25.3,9.16 25.3,13.84, height 10.38
SM04B [mm]
  rect 0.6x1.55 smd: 1(-1.5,-4.575) 2(-0.5,-4.575) 3(0.5,-4.575) 4(1.5,-4.575)
  rect 1.2x1.8 smd: 5(-2.8,-0.7) 5(2.8,-0.7)
  silkscreen extent -3.5,-5.5 3.5,0.3, body extent -3,-4.95 3,0, height 2.96
SO-8 [mm]
  rect 0.8x1.5 smd: 1(-1.9,-3) 2(-0.63,-3) 3(0.63,-3) 4(1.9,-3) 5(1.9,3) 6(0.63,3) 7(-0.63,3) 8(-1.9,3)
  silkscreen extent -2.87,-1.75 2.45,1.45, body extent -2.5,-3.12 2.5,3.12, height 2.05
SO-8-EP [mm]
  rect 0.8x1.5 smd: 1(-1.905,-2.5) 2(-0.635,-2.5) 3(0.635,-2.5) 4(1.905,-2.5) 5(1.905,2.5) 6(0.635,2.5) 7(-0.635,2.5) 8(-1.905,2.5)
  rect 3.5x2.6 smd: 9(0,0)
  silkscreen extent -2.87,-1.75 2.45,1.45, body extent -2.5,-3.12 2.5,3.12, height 2.05